# Allegro board pc051c_toplevel_209edited.brd (continued)
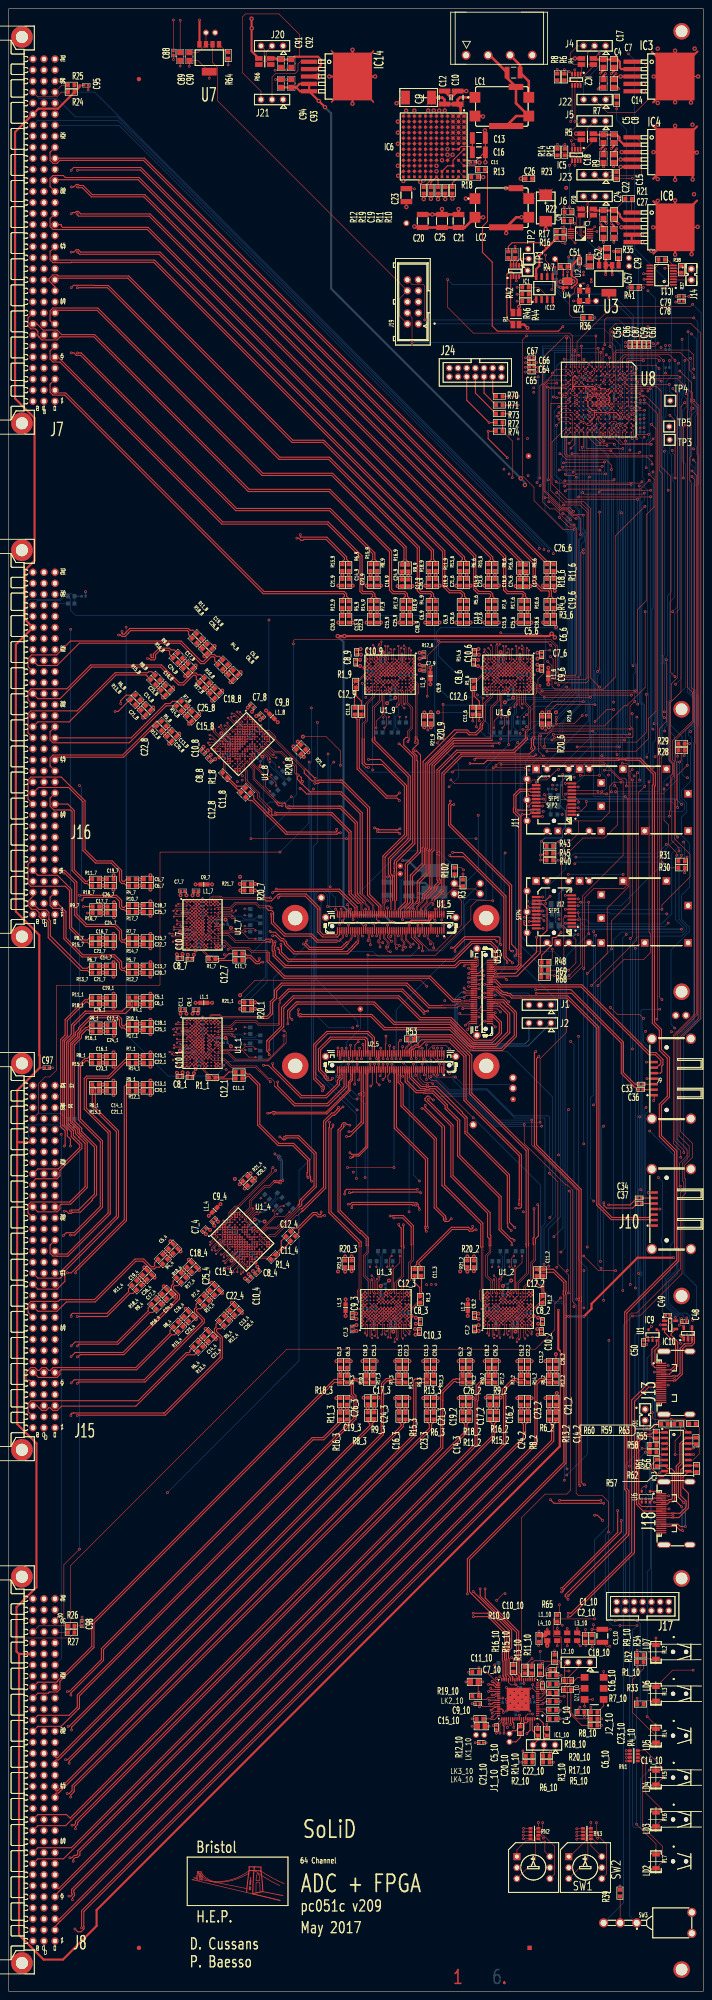
[diagram p0: board, top side]
## Nets
1.5VOUT: LK10.1(A<0>) U2_5.20(1.5V)
1.8VOUT: LK11.1(A<0>) U1_5.40(1.8V_O)
3.3VCTREF: LK12.1(A<0>) U1_5.13(3.3V_O)
3.3VOUT: LK1.1(A<0>) U2_5.9(3.3V_1) U2_5.11(3.3V_2)
3V3_CONN: C90.2(B<0>) J19.2(A<1>) J19.8(A<7>) LK20.1(A<0>) U7.2(ADJ) U7.3(OUT)
DGND: C6.1(A<0>) J3.2(A<1>) LC1.4(CG<0>) LC1.5(CG<1>) LC1.6(CG<2>)
GND_SIGNAL: C1.1(A<0>) C1_1.1(A<0>) C1_2.1(A<0>) C1_3.1(A<0>) C1_4.1(A<0>) C1_6.1(A<0>) C1_7.1(A<0>) C1_8.1(A<0>) C1_9.1(A<0>) C1_10.1(A<0>) C2.1(A<0>) C2_1.1(A<0>) C2_2.1(A<0>) C2_3.1(A<0>) C2_4.1(A<0>) C2_6.1(A<0>) C2_7.1(A<0>) C2_8.1(A<0>) C2_9.1(A<0>) C2_10.1(A<0>) C3.1(A<0>) C3_1.1(A<0>) C3_2.1(A<0>) C3_3.1(A<0>) C3_4.1(A<0>) C3_6.1(A<0>) C3_7.1(A<0>) C3_8.1(A<0>) C3_9.1(A<0>) C3_10.1(A<0>) C4.1(A<0>) C4_1.1(A<0>) C4_2.1(A<0>) C4_3.1(A<0>) C4_4.1(A<0>) C4_6.1(A<0>) C4_7.1(A<0>) C4_8.1(A<0>) C4_9.1(A<0>) C4_10.1(A<0>) C5.1(A<0>) C5_1.1(A<0>) C5_2.1(A<0>) C5_3.1(A<0>) C5_4.1(A<0>) C5_6.1(A<0>) C5_7.1(A<0>) C5_8.1(A<0>) C5_9.1(A<0>) C5_10.1(A<0>) C6_1.1(A<0>) C6_2.1(A<0>) C6_3.1(A<0>) C6_4.1(A<0>) C6_6.1(A<0>) C6_7.1(A<0>) C6_8.1(A<0>) C6_9.1(A<0>) C6_10.1(A<0>) C7.1(A<0>) C7_1.1(A<0>) C7_2.1(A<0>) C7_3.1(A<0>) C7_4.1(A<0>) C7_6.1(A<0>) C7_7.1(A<0>) C7_8.1(A<0>) C7_9.1(A<0>) C7_10.1(A<0>) C8.1(A<0>) C8_1.1(A<0>) C8_2.1(A<0>) C8_3.1(A<0>) C8_4.1(A<0>) C8_6.1(A<0>) C8_7.1(A<0>) C8_8.1(A<0>) C8_9.1(A<0>) C8_10.1(A<0>) C9_1.1(A<0>) C9_2.1(A<0>) C9_3.1(A<0>) C9_4.1(A<0>) C9_6.1(A<0>) C9_7.1(A<0>) C9_8.1(A<0>) C9_9.1(A<0>) C9_10.1(A<0>) C10_1.1(A<0>) C10_2.1(A<0>) C10_3.1(A<0>) C10_4.1(A<0>) C10_6.1(A<0>) C10_7.1(A<0>) C10_8.1(A<0>) C10_9.1(A<0>) C10_10.1(A<0>) C11_10.1(A<0>) C12_10.1(A<0>) C13_1.1(A<0>) C13_2.1(A<0>) C13_3.1(A<0>) C13_4.1(A<0>) C13_6.1(A<0>) C13_7.1(A<0>) C13_8.1(A<0>) C13_9.1(A<0>) C13_10.1(A<0>) C14.1(A<0>) C14_1.1(A<0>) C14_2.1(A<0>) C14_3.1(A<0>) C14_4.1(A<0>) C14_6.1(A<0>) C14_7.1(A<0>) C14_8.1(A<0>) C14_9.1(A<0>) C15.1(A<0>) C15_1.1(A<0>) C15_2.1(A<0>) C15_3.1(A<0>) C15_4.1(A<0>) C15_6.1(A<0>) C15_7.1(A<0>) C15_8.1(A<0>) C15_9.1(A<0>) C15_10.1(A<0>) C16_1.1(A<0>) C16_2.1(A<0>) C16_3.1(A<0>) C16_4.1(A<0>) C16_6.1(A<0>) C16_7.1(A<0>) C16_8.1(A<0>) C16_9.1(A<0>) C17.1(A<0>) C17_1.1(A<0>) C17_2.1(A<0>) C17_3.1(A<0>) C17_4.1(A<0>) C17_6.1(A<0>) C17_7.1(A<0>) C17_8.1(A<0>) C17_9.1(A<0>) C17_10.1(A<0>) C18.1(A<0>) C18_1.1(A<0>) C18_2.1(A<0>) C18_3.1(A<0>) C18_4.1(A<0>) C18_6.1(A<0>) C18_7.1(A<0>) C18_8.1(A<0>) C18_9.1(A<0>) C18_10.1(A<0>) C19_1.1(A<0>) C19_2.1(A<0>) C19_3.1(A<0>) C19_4.1(A<0>) C19_6.1(A<0>) C19_7.1(A<0>) C19_8.1(A<0>) C19_9.1(A<0>) C19_10.1(A<0>) C20_1.1(A<0>) C20_2.1(A<0>) C20_3.1(A<0>) C20_4.1(A<0>) C20_6.1(A<0>) C20_7.1(A<0>) C20_8.1(A<0>) C20_9.1(A<0>) C21_1.1(A<0>) C21_2.1(A<0>) C21_3.1(A<0>) C21_4.1(A<0>) C21_6.1(A<0>) C21_7.1(A<0>) C21_8.1(A<0>) C21_9.1(A<0>) C21_10.1(A<0>) C22.1(A<0>) C22_1.1(A<0>) C22_2.1(A<0>) C22_3.1(A<0>) C22_4.1(A<0>) C22_6.1(A<0>) C22_7.1(A<0>) C22_8.1(A<0>) C22_9.1(A<0>) C23_1.1(A<0>) C23_2.1(A<0>) C23_3.1(A<0>) C23_4.1(A<0>) C23_6.1(A<0>) C23_7.1(A<0>) C23_8.1(A<0>) C23_9.1(A<0>) C23_10.1(A<0>) C24.1(A<0>) C24_1.1(A<0>) C24_2.1(A<0>) C24_3.1(A<0>) C24_4.1(A<0>) C24_6.1(A<0>) C24_7.1(A<0>) C24_8.1(A<0>) C24_9.1(A<0>) C25_1.1(A<0>) C25_2.1(A<0>) C25_3.1(A<0>) C25_4.1(A<0>) C25_6.1(A<0>) C25_7.1(A<0>) C25_8.1(A<0>) C25_9.1(A<0>) C26.1(A<0>) C26_1.1(A<0>) C26_2.1(A<0>) C26_3.1(A<0>) C26_4.1(A<0>) C26_6.1(A<0>) C26_7.1(A<0>) C26_8.1(A<0>) C26_9.1(A<0>) C27.1(A<0>) C27_1.1(A<0>) C27_2.1(A<0>) C27_3.1(A<0>) C27_4.1(A<0>) C27_6.1(A<0>) C27_7.1(A<0>) C27_8.1(A<0>) C27_9.1(A<0>) C28.2(B<0>) C28_1.1(A<0>) C28_2.1(A<0>) C28_3.1(A<0>) C28_4.1(A<0>) C28_6.1(A<0>) C28_7.1(A<0>) C28_8.1(A<0>) C28_9.1(A<0>) C29.1(A<0>) C30.1(A<0>) C31.1(A<0>) C32.1(A<0>) C35.1(A<0>) C38.1(A<0>) C39.1(A<0>) C40.1(A<0>) C41.1(A<0>) C42.1(A<0>) C43.1(A<0>) C44.1(A<0>) C45.1(A<0>) C46.1(A<0>) C47.1(A<0>) C48.1(A<0>) C49.1(A<0>) C50.1(A<0>) C51.1(A<0>) C52.1(A<0>) C53.1(A<0>) C54.1(A<0>) C55.1(A<0>) C56.1(A<0>) C57.1(A<0>) C58.1(A<0>) C59.1(A<0>) C60.1(A<0>) C61.1(A<0>) C62.1(A<0>) C63.1(A<0>) C64.1(A<0>) C65.1(A<0>) C66.1(A<0>) C67.1(A<0>) C68.1(A<0>) C69.1(A<0>) C70.1(A<0>) C71.1(A<0>) C72.1(A<0>) C73.1(A<0>) C74.1(A<0>) C75.1(A<0>) C76.1(A<0>) C77.1(A<0>) C78.1(A<0>) C79.1(A<0>) C80.1(A<0>) C81.1(A<0>) C82.1(A<0>) C83.1(A<0>) C84.1(A<0>) C85.1(A<0>) C86.1(A<0>) C87.1(A<0>) C88.1(A<0>) C89.1(A<0>) C90.1(A<0>) C91.1(A<0>) C92.1(A<0>) C93.1(A<0>) C94.1(A<0>) C95.1(A<0>) C96.1(A<0>) C97.1(A<0>) C98.1(A<0>) IC1.3 IC1_10.65 IC2.3 IC3.3(GND) IC3.6(TAB) IC4.3(GND) IC4.6(TAB) IC5.3 IC7.5 IC8.3(GND) IC8.6(TAB) IC9.2 IC10.2 IC11.7(GND<0>) IC11.8(GND<1>) IC12.4(VSS) IC13.8 IC14.3(GND) IC14.6(TAB) J1.2(A<1>) J1_10.1(A<0>) J2.2(A<1>) J2_10.1(A<0>) J3.1(A<0>) J4.1(A<0>) J5.1(A<0>) J6.1(A<0>) J7.A1(A<0>) J7.A4(A<3>) J7.A7(A<6>) J7.A10(A<9>) J7.A13(A<12>) J7.A16(A<15>) J7.A19(A<18>) J7.A22(A<21>) J7.A25(A<24>) J7.A28(A<27>) J7.A30(A<29>) J7.A31(A<30>) J7.B1(B<0>) J7.B2(B<1>) J7.B3(B<2>) J7.B4(B<3>) J7.B5(B<4>) J7.B6(B<5>) J7.B7(B<6>) J7.B8(B<7>) J7.B9(B<8>) J7.B10(B<9>) J7.B11(B<10>) J7.B12(B<11>) J7.B13(B<12>) J7.B14(B<13>) J7.B15(B<14>) J7.B16(B<15>) J7.B17(B<16>) J7.B18(B<17>) J7.B19(B<18>) J7.B20(B<19>) J7.B21(B<20>) J7.B22(B<21>) J7.B23(B<22>) J7.B24(B<23>) J7.B25(B<24>) J7.B26(B<25>) J7.B27(B<26>) J7.B28(B<27>) J7.B29(B<28>) J7.B30(B<29>) J7.B31(B<30>) J7.B32(B<31>) J7.C1(C<0>) J7.C4(C<3>) J7.C7(C<6>) J7.C10(C<9>) J7.C13(C<12>) J7.C16(C<15>) J7.C19(C<18>) J7.C22(C<21>) J7.C25(C<24>) J7.C28(C<27>) J7.C30(C<29>) J7.C31(C<30>) J8.A1(A<0>) J8.A4(A<3>) J8.A7(A<6>) J8.A10(A<9>) J8.A13(A<12>) J8.A16(A<15>) J8.A19(A<18>) J8.A22(A<21>) J8.A25(A<24>) J8.A28(A<27>) J8.A30(A<29>) J8.A31(A<30>) J8.B1(B<0>) J8.B2(B<1>) J8.B3(B<2>) J8.B4(B<3>) J8.B5(B<4>) J8.B6(B<5>) J8.B7(B<6>) J8.B8(B<7>) J8.B9(B<8>) J8.B10(B<9>) J8.B11(B<10>) J8.B12(B<11>) J8.B13(B<12>) J8.B14(B<13>) J8.B15(B<14>) J8.B16(B<15>) J8.B17(B<16>) J8.B18(B<17>) J8.B19(B<18>) J8.B20(B<19>) J8.B21(B<20>) J8.B22(B<21>) J8.B23(B<22>) J8.B24(B<23>) J8.B25(B<24>) J8.B26(B<25>) J8.B27(B<26>) J8.B28(B<27>) J8.B29(B<28>) J8.B30(B<29>) J8.B31(B<30>) J8.B32(B<31>) J8.C1(C<0>) J8.C4(C<3>) J8.C7(C<6>) J8.C10(C<9>) J8.C13(C<12>) J8.C16(C<15>) J8.C19(C<18>) J8.C22(C<21>) J8.C25(C<24>) J8.C28(C<27>) J8.C30(C<29>) J8.C31(C<30>) J9.1(A<0>) J9.4(A<3>) J9.7(A<6>) J9.8 J9.9 J9.10 J9.11 J10.1(A<0>) J10.4(A<3>) J10.7(A<6>) J10.8 J10.9 J10.10 J10.11 J11.1(VEET1) J11.9(VEER/RS1) J11.10(VEER1) J11.11(VEER2) J11.14(VEER3) J11.17(VEET2) J11.20(VEET3) J12.1(VEET1) J12.9(VEER/RS1) J12.10(VEER1) J12.11(VEER2) J12.14(VEER3) J12.17(VEET2) J12.20(VEET3) J13.2(A<1>) J13.5(A<4>) J13.8(A<7>) J13.11(A<10>) J13.20 J13.21 J13.22 J13.23 J15.A1(A<0>) J15.A4(A<3>) J15.A7(A<6>) J15.A10(A<9>) J15.A13(A<12>) J15.A16(A<15>) J15.A19(A<18>) J15.A22(A<21>) J15.A25(A<24>) J15.A28(A<27>) J15.A30(A<29>) J15.A31(A<30>) J15.B1(B<0>) J15.B2(B<1>) J15.B3(B<2>) J15.B4(B<3>) J15.B5(B<4>) J15.B6(B<5>) J15.B7(B<6>) J15.B8(B<7>) J15.B9(B<8>) J15.B10(B<9>) J15.B11(B<10>) J15.B12(B<11>) J15.B13(B<12>) J15.B14(B<13>) J15.B15(B<14>) J15.B16(B<15>) J15.B17(B<16>) J15.B18(B<17>) J15.B19(B<18>) J15.B20(B<19>) J15.B21(B<20>) J15.B22(B<21>) J15.B23(B<22>) J15.B24(B<23>) J15.B25(B<24>) J15.B27(B<26>) J15.B28(B<27>) J15.B29(B<28>) J15.B30(B<29>) J15.B31(B<30>) J15.B32(B<31>) J15.C1(C<0>) J15.C4(C<3>) J15.C7(C<6>) J15.C10(C<9>) J15.C13(C<12>) J15.C16(C<15>) J15.C19(C<18>) J15.C22(C<21>) J15.C25(C<24>) J15.C28(C<27>) J15.C30(C<29>) J15.C31(C<30>) J16.A1(A<0>) J16.A4(A<3>) J16.A7(A<6>) J16.A10(A<9>) J16.A13(A<12>) J16.A16(A<15>) J16.A19(A<18>) J16.A22(A<21>) J16.A25(A<24>) J16.A28(A<27>) J16.A30(A<29>) J16.A31(A<30>) J16.B1(B<0>) J16.B2(B<1>) J16.B3(B<2>) J16.B4(B<3>) J16.B5(B<4>) J16.B6(B<5>) J16.B7(B<6>) J16.B8(B<7>) J16.B9(B<8>) J16.B10(B<9>) J16.B11(B<10>) J16.B12(B<11>) J16.B13(B<12>) J16.B14(B<13>) J16.B15(B<14>) J16.B16(B<15>) J16.B17(B<16>) J16.B18(B<17>) J16.B19(B<18>) J16.B20(B<19>) J16.B21(B<20>) J16.B22(B<21>) J16.B23(B<22>) J16.B24(B<23>) J16.B25(B<24>) J16.B26(B<25>) J16.B27(B<26>) J16.B28(B<27>) J16.B29(B<28>) J16.B30(B<29>) J16.B31(B<30>) J16.B32(B<31>) J16.C1(C<0>) J16.C4(C<3>) J16.C7(C<6>) J16.C10(C<9>) J16.C13(C<12>) J16.C16(C<15>) J16.C19(C<18>) J16.C22(C<21>) J16.C25(C<24>) J16.C28(C<27>) J16.C30(C<29>) J16.C31(C<30>) J17.3(A<2>) J17.5(A<4>) J17.7(A<6>) J17.9(A<8>) J17.11(A<10>) J18.2(A<1>) J18.5(A<4>) J18.8(A<7>) J18.11(A<10>) J18.20 J18.21 J18.22 J18.23 J19.3(A<2>) J19.9(A<8>) J20.1(A<0>) J24.3(A<2>) J24.5(A<4>) J24.7(A<6>) J24.9(A<8>) J24.11(A<10>) J31.1(A<0>) LC2.4(CG<0>) LC2.5(CG<1>) LC2.6(CG<2>) LK1_5.1(A<0>) LK2_5.1(A<0>) LK2_10.1(A<0>) LK3_5.1(A<0>) LK4_5.1(A<0>) LK9.1(A<0>) LK15.1(A<0>) LK18.1(A<0>) LK19.1(A<0>) LK21.1(A<0>) QZ1.2(GND) QZ1_10.3 R2.1(A<0>) R3.2(B<0>) R3_10.1(A<0>) R4_10.1(A<0>) R6.1(A<0>) R6_10.1(A<0>) R7_10.1(A<0>) R8.1(A<0>) R12_10.1(A<0>) R13_10.1(A<0>) R14.1(A<0>) R15_10.1(A<0>) R16_10.1(A<0>) R17_10.1(A<0>) R18_10.1(A<0>) R19_1.1(A<0>) R19_2.1(A<0>) R19_3.1(A<0>) R19_4.1(A<0>) R19_6.1(A<0>) R19_7.1(A<0>) R19_8.1(A<0>) R19_9.1(A<0>) R20_10.1(A<0>) R29.2(B<0>) R31.2(B<0>) R32.1(A<0>) R33.1(A<0>) R34.1(A<0>) R37.2(B<0>) R38.2(B<0>) R39.2(B<0>) R42.2(B<0>) R44.2(B<0>) R46.2(B<0>) RN1.1(A<0>) RN1.2(A<0>) RN1.3(A<0>) RN1.4(A<0>) RN2.1(A<0>) RN2.2(A<0>) RN2.3(A<0>) RN2.4(A<0>) RN3.1(A<0>) RN3.2(A<0>) RN3.3(A<0>) RN3.4(A<0>) SFP1.1 SFP1.2 SFP1.3 SFP1.4 SFP1.5 SFP1.6 SFP1.7 SFP1.8 SFP1.9 SFP1.10 SFP1.11 SFP1.12 SFP1.13 SFP1.14 SFP1.15 SFP1.16 SFP1.17 SFP2.1 SFP2.2 SFP2.3 SFP3.1 SFP3.2 SFP3.3 SFP3.4 SFP3.5 SFP3.6 SFP3.7 SFP3.8 SFP3.9 SFP3.10 SFP3.11 SFP3.12 SFP3.13 SFP3.14 SFP3.15 SFP3.16 SFP3.17 SFP4.1 SFP4.2 SFP4.3 U1.2(GND) U1_1.A1(GND) U1_1.A2(GND_1) U1_1.A3(GND_2) U1_1.A4(GND_3) U1_1.A5(GND_4) U1_1.A6(GND_5) U1_1.A7(PAR/SER) U1_1.A9(OGND) U1_1.A10(OGND_1) U1_1.B4(GND_6) U1_1.B5(GND_7) U1_1.B7(GND_8) U1_1.B9(OGND_2) U1_1.B10(OGND_3) U1_1.C3(GND_9) U1_1.C4(GND_10) U1_1.C6(GND_11) U1_1.D1(GND_12) U1_1.D2(GND_13) U1_1.D5(GND_14) U1_1.E5(GND_15) U1_1.F1(GND_16) U1_1.F2(GND_17) U1_1.F4(GND_18) U1_1.F5(GND_19) U1_1.F6(GND_20) U1_1.G3(GND_21) U1_1.G4(GND_22) U1_1.G5(GND_23) U1_1.G6(GND_24) U1_1.H3(GND_25) U1_1.H4(GND_26) U1_1.H5(GND_27) U1_1.H6(GND_28) U1_1.H9(OGND_4) U1_1.H10(OGND_5) U1_1.J1(GND_29) U1_1.J2(GND_30) U1_1.J4(GND_31) U1_1.J5(GND_32) U1_1.J6(GND_33) U1_1.K5(GND_34) U1_1.K6(GND_35) U1_1.L1(GND_36) U1_1.L2(GND_37) U1_1.M3(GND_38) U1_1.M4(GND_39) U1_1.N4(GND_40) U1_1.N5(GND_41) U1_1.N6(GND_42) U1_1.N7(GND_43) U1_1.N9(OGND_6) U1_1.N10(OGND_7) U1_1.P1(GND_44) U1_1.P2(GND_45) U1_1.P3(GND_46) U1_1.P4(GND_47) U1_1.P7(GND_48) U1_1.P9(OGND_8) U1_1.P10(OGND_9) U1_2.A1(GND) U1_2.A2(GND_1) U1_2.A3(GND_2) U1_2.A4(GND_3) U1_2.A5(GND_4) U1_2.A6(GND_5) U1_2.A7(PAR/SER) U1_2.A9(OGND) U1_2.A10(OGND_1) U1_2.B4(GND_6) U1_2.B5(GND_7) U1_2.B7(GND_8) U1_2.B9(OGND_2) U1_2.B10(OGND_3) U1_2.C3(GND_9) U1_2.C4(GND_10) U1_2.C6(GND_11) U1_2.D1(GND_12) U1_2.D2(GND_13) U1_2.D5(GND_14) U1_2.E5(GND_15) U1_2.F1(GND_16) U1_2.F2(GND_17) U1_2.F4(GND_18) U1_2.F5(GND_19) U1_2.F6(GND_20) U1_2.G3(GND_21) U1_2.G4(GND_22) U1_2.G5(GND_23) U1_2.G6(GND_24) U1_2.H3(GND_25) U1_2.H4(GND_26) U1_2.H5(GND_27) U1_2.H6(GND_28) U1_2.H9(OGND_4) U1_2.H10(OGND_5) U1_2.J1(GND_29) U1_2.J2(GND_30) U1_2.J4(GND_31) U1_2.J5(GND_32) U1_2.J6(GND_33) U1_2.K5(GND_34) U1_2.K6(GND_35) U1_2.L1(GND_36) U1_2.L2(GND_37) U1_2.M3(GND_38) U1_2.M4(GND_39) U1_2.N4(GND_40) U1_2.N5(GND_41) U1_2.N6(GND_42) U1_2.N7(GND_43) U1_2.N9(OGND_6) U1_2.N10(OGND_7) U1_2.P1(GND_44) U1_2.P2(GND_45) U1_2.P3(GND_46) U1_2.P4(GND_47) U1_2.P7(GND_48) U1_2.P9(OGND_8) U1_2.P10(OGND_9) U1_3.A1(GND) U1_3.A2(GND_1) U1_3.A3(GND_2) U1_3.A4(GND_3) U1_3.A5(GND_4) U1_3.A6(GND_5) U1_3.A7(PAR/SER) U1_3.A9(OGND) U1_3.A10(OGND_1) U1_3.B4(GND_6) U1_3.B5(GND_7) U1_3.B7(GND_8) U1_3.B9(OGND_2) U1_3.B10(OGND_3) U1_3.C3(GND_9) U1_3.C4(GND_10) U1_3.C6(GND_11) U1_3.D1(GND_12) U1_3.D2(GND_13) U1_3.D5(GND_14) U1_3.E5(GND_15) U1_3.F1(GND_16) U1_3.F2(GND_17) U1_3.F4(GND_18) U1_3.F5(GND_19) U1_3.F6(GND_20) U1_3.G3(GND_21) U1_3.G4(GND_22) U1_3.G5(GND_23) U1_3.G6(GND_24) U1_3.H3(GND_25) U1_3.H4(GND_26) U1_3.H5(GND_27) U1_3.H6(GND_28) U1_3.H9(OGND_4) U1_3.H10(OGND_5) U1_3.J1(GND_29) U1_3.J2(GND_30) U1_3.J4(GND_31) U1_3.J5(GND_32) U1_3.J6(GND_33) U1_3.K5(GND_34) U1_3.K6(GND_35) U1_3.L1(GND_36) U1_3.L2(GND_37) U1_3.M3(GND_38) U1_3.M4(GND_39) U1_3.N4(GND_40) U1_3.N5(GND_41) U1_3.N6(GND_42) U1_3.N7(GND_43) U1_3.N9(OGND_6) U1_3.N10(OGND_7) U1_3.P1(GND_44) U1_3.P2(GND_45) U1_3.P3(GND_46) U1_3.P4(GND_47) U1_3.P7(GND_48) U1_3.P9(OGND_8) U1_3.P10(OGND_9) U1_4.A1(GND) U1_4.A2(GND_1) U1_4.A3(GND_2) U1_4.A4(GND_3) U1_4.A5(GND_4) U1_4.A6(GND_5) U1_4.A7(PAR/SER) U1_4.A9(OGND) U1_4.A10(OGND_1) U1_4.B4(GND_6) U1_4.B5(GND_7) U1_4.B7(GND_8) U1_4.B9(OGND_2) U1_4.B10(OGND_3) U1_4.C3(GND_9) U1_4.C4(GND_10) U1_4.C6(GND_11) U1_4.D1(GND_12) U1_4.D2(GND_13) U1_4.D5(GND_14) U1_4.E5(GND_15) U1_4.F1(GND_16) U1_4.F2(GND_17) U1_4.F4(GND_18) U1_4.F5(GND_19) U1_4.F6(GND_20) U1_4.G3(GND_21) U1_4.G4(GND_22) U1_4.G5(GND_23) U1_4.G6(GND_24) U1_4.H3(GND_25) U1_4.H4(GND_26) U1_4.H5(GND_27) U1_4.H6(GND_28) U1_4.H9(OGND_4) U1_4.H10(OGND_5) U1_4.J1(GND_29) U1_4.J2(GND_30) U1_4.J4(GND_31) U1_4.J5(GND_32) U1_4.J6(GND_33) U1_4.K5(GND_34) U1_4.K6(GND_35) U1_4.L1(GND_36) U1_4.L2(GND_37) U1_4.M3(GND_38) U1_4.M4(GND_39) U1_4.N4(GND_40) U1_4.N5(GND_41) U1_4.N6(GND_42) U1_4.N7(GND_43) U1_4.N9(OGND_6) U1_4.N10(OGND_7) U1_4.P1(GND_44) U1_4.P2(GND_45) U1_4.P3(GND_46) U1_4.P4(GND_47) U1_4.P7(GND_48) U1_4.P9(OGND_8) U1_4.P10(OGND_9) U1_5.1(GND_15) U1_5.7(GND_5) U1_5.19(GND_6) U1_5.25(GND_7) U1_5.30(GND_1) U1_5.33(GND_8) U1_5.43(GND_9) U1_5.53(GND_10) U1_5.54(GND_2) U1_5.63(GND_11) U1_5.64(GND_3) U1_5.73(GND_12) U1_5.74(GND_4) U1_5.83(GND_13) U1_5.89(GND_14) U1_6.A1(GND) U1_6.A2(GND_1) U1_6.A3(GND_2) U1_6.A4(GND_3) U1_6.A5(GND_4) U1_6.A6(GND_5) U1_6.A7(PAR/SER) U1_6.A9(OGND) U1_6.A10(OGND_1) U1_6.B4(GND_6) U1_6.B5(GND_7) U1_6.B7(GND_8) U1_6.B9(OGND_2) U1_6.B10(OGND_3) U1_6.C3(GND_9) U1_6.C4(GND_10) U1_6.C6(GND_11) U1_6.D1(GND_12) U1_6.D2(GND_13) U1_6.D5(GND_14) U1_6.E5(GND_15) U1_6.F1(GND_16) U1_6.F2(GND_17) U1_6.F4(GND_18) U1_6.F5(GND_19) U1_6.F6(GND_20) U1_6.G3(GND_21) U1_6.G4(GND_22) U1_6.G5(GND_23) U1_6.G6(GND_24) U1_6.H3(GND_25) U1_6.H4(GND_26) U1_6.H5(GND_27) U1_6.H6(GND_28) U1_6.H9(OGND_4) U1_6.H10(OGND_5) U1_6.J1(GND_29) U1_6.J2(GND_30) U1_6.J4(GND_31) U1_6.J5(GND_32) U1_6.J6(GND_33) U1_6.K5(GND_34) U1_6.K6(GND_35) U1_6.L1(GND_36) U1_6.L2(GND_37) U1_6.M3(GND_38) U1_6.M4(GND_39) U1_6.N4(GND_40) U1_6.N5(GND_41) U1_6.N6(GND_42) U1_6.N7(GND_43) U1_6.N9(OGND_6) U1_6.N10(OGND_7) U1_6.P1(GND_44) U1_6.P2(GND_45) U1_6.P3(GND_46) U1_6.P4(GND_47) U1_6.P7(GND_48) U1_6.P9(OGND_8) U1_6.P10(OGND_9) U1_7.A1(GND) U1_7.A2(GND_1) U1_7.A3(GND_2) U1_7.A4(GND_3) U1_7.A5(GND_4) U1_7.A6(GND_5) U1_7.A7(PAR/SER) U1_7.A9(OGND) U1_7.A10(OGND_1) U1_7.B4(GND_6) U1_7.B5(GND_7) U1_7.B7(GND_8) U1_7.B9(OGND_2) U1_7.B10(OGND_3) U1_7.C3(GND_9) U1_7.C4(GND_10) U1_7.C6(GND_11) U1_7.D1(GND_12) U1_7.D2(GND_13) U1_7.D5(GND_14) U1_7.E5(GND_15) U1_7.F1(GND_16) U1_7.F2(GND_17) U1_7.F4(GND_18) U1_7.F5(GND_19) U1_7.F6(GND_20) U1_7.G3(GND_21) U1_7.G4(GND_22) U1_7.G5(GND_23) U1_7.G6(GND_24) U1_7.H3(GND_25) U1_7.H4(GND_26) U1_7.H5(GND_27) U1_7.H6(GND_28) U1_7.H9(OGND_4) U1_7.H10(OGND_5) U1_7.J1(GND_29) U1_7.J2(GND_30) U1_7.J4(GND_31) U1_7.J5(GND_32) U1_7.J6(GND_33) U1_7.K5(GND_34) U1_7.K6(GND_35) U1_7.L1(GND_36) U1_7.L2(GND_37) U1_7.M3(GND_38) U1_7.M4(GND_39) U1_7.N4(GND_40) U1_7.N5(GND_41) U1_7.N6(GND_42) U1_7.N7(GND_43) U1_7.N9(OGND_6) U1_7.N10(OGND_7) U1_7.P1(GND_44) U1_7.P2(GND_45) U1_7.P3(GND_46) U1_7.P4(GND_47) U1_7.P7(GND_48) U1_7.P9(OGND_8) U1_7.P10(OGND_9) U1_8.A1(GND) U1_8.A2(GND_1) U1_8.A3(GND_2) U1_8.A4(GND_3) U1_8.A5(GND_4) U1_8.A6(GND_5) U1_8.A7(PAR/SER) U1_8.A9(OGND) U1_8.A10(OGND_1) U1_8.B4(GND_6) U1_8.B5(GND_7) U1_8.B7(GND_8) U1_8.B9(OGND_2) U1_8.B10(OGND_3) U1_8.C3(GND_9) U1_8.C4(GND_10) U1_8.C6(GND_11) U1_8.D1(GND_12) U1_8.D2(GND_13) U1_8.D5(GND_14) U1_8.E5(GND_15) U1_8.F1(GND_16) U1_8.F2(GND_17) U1_8.F4(GND_18) U1_8.F5(GND_19) U1_8.F6(GND_20) U1_8.G3(GND_21) U1_8.G4(GND_22) U1_8.G5(GND_23) U1_8.G6(GND_24) U1_8.H3(GND_25) U1_8.H4(GND_26) U1_8.H5(GND_27) U1_8.H6(GND_28) U1_8.H9(OGND_4) U1_8.H10(OGND_5) U1_8.J1(GND_29) U1_8.J2(GND_30) U1_8.J4(GND_31) U1_8.J5(GND_32) U1_8.J6(GND_33) U1_8.K5(GND_34) U1_8.K6(GND_35) U1_8.L1(GND_36) U1_8.L2(GND_37) U1_8.M3(GND_38) U1_8.M4(GND_39) U1_8.N4(GND_40) U1_8.N5(GND_41) U1_8.N6(GND_42) U1_8.N7(GND_43) U1_8.N9(OGND_6) U1_8.N10(OGND_7) U1_8.P1(GND_44) U1_8.P2(GND_45) U1_8.P3(GND_46) U1_8.P4(GND_47) U1_8.P7(GND_48) U1_8.P9(OGND_8) U1_8.P10(OGND_9) U1_9.A1(GND) U1_9.A2(GND_1) U1_9.A3(GND_2) U1_9.A4(GND_3) U1_9.A5(GND_4) U1_9.A6(GND_5) U1_9.A7(PAR/SER) U1_9.A9(OGND) U1_9.A10(OGND_1) U1_9.B4(GND_6) U1_9.B5(GND_7) U1_9.B7(GND_8) U1_9.B9(OGND_2) U1_9.B10(OGND_3) U1_9.C3(GND_9) U1_9.C4(GND_10) U1_9.C6(GND_11) U1_9.D1(GND_12) U1_9.D2(GND_13) U1_9.D5(GND_14) U1_9.E5(GND_15) U1_9.F1(GND_16) U1_9.F2(GND_17) U1_9.F4(GND_18) U1_9.F5(GND_19) U1_9.F6(GND_20) U1_9.G3(GND_21) U1_9.G4(GND_22) U1_9.G5(GND_23) U1_9.G6(GND_24) U1_9.H3(GND_25) U1_9.H4(GND_26) U1_9.H5(GND_27) U1_9.H6(GND_28) U1_9.H9(OGND_4) U1_9.H10(OGND_5) U1_9.J1(GND_29) U1_9.J2(GND_30) U1_9.J4(GND_31) U1_9.J5(GND_32) U1_9.J6(GND_33) U1_9.K5(GND_34) U1_9.K6(GND_35) U1_9.L1(GND_36) U1_9.L2(GND_37) U1_9.M3(GND_38) U1_9.M4(GND_39) U1_9.N4(GND_40) U1_9.N5(GND_41) U1_9.N6(GND_42) U1_9.N7(GND_43) U1_9.N9(OGND_6) U1_9.N10(OGND_7) U1_9.P1(GND_44) U1_9.P2(GND_45) U1_9.P3(GND_46) U1_9.P4(GND_47) U1_9.P7(GND_48) U1_9.P9(OGND_8) U1_9.P10(OGND_9) U2.1(GND) U2_5.19(GND_6) U2_5.29(GND_7) U2_5.39(GND) U2_5.40(GND_1) U2_5.49(GND_8) U2_5.50(GND_2) U2_5.59(GND_9) U2_5.60(GND_3) U2_5.69(GND_10) U2_5.70(GND_4) U2_5.79(GND_11) U2_5.80(GND_5) U2_5.89(GND_12) U3.5(GND) U3_5.5(GND8) U3_5.6(GND1) U3_5.11(GND9) U3_5.12(GND2) U3_5.17(GND10) U3_5.18(GND3) U3_5.23(GND11) U3_5.24(GND4) U3_5.29(GND12) U3_5.30(GND5) U3_5.35(GND13) U3_5.36(GND6) U3_5.45(GND14) U3_5.46(GND7) U4.2(GND) U4.7(DAP) U6.2(GND) U7.5(GND) U8.F6 U8.F11 U8.G7 U8.G8 U8.G9 U8.G10 U8.H7 U8.H8 U8.H9 U8.H10 U8.J7 U8.J8 U8.J9 U8.J10 U8.K7 U8.K8 U8.K9 U8.K10 U8.L6 U8.L11
P1V8: C3_1.2(B<0>) C3_2.2(B<0>) C3_3.2(B<0>) C3_4.2(B<0>) C3_6.2(B<0>) C3_7.2(B<0>) C3_8.2(B<0>) C3_9.2(B<0>) C4_1.2(B<0>) C4_2.2(B<0>) C4_3.2(B<0>) C4_4.2(B<0>) C4_6.2(B<0>) C4_7.2(B<0>) C4_8.2(B<0>) C4_9.2(B<0>) C10_10.2(B<0>) C27.2(B<0>) C29.2(B<0>) IC7.4(V4) IC8.4(OUT) IC8.5(ADJ) L1_1.2(B<0>) L1_2.2(B<0>) L1_3.2(B<0>) L1_4.2(B<0>) L1_6.2(B<0>) L1_7.2(B<0>) L1_8.2(B<0>) L1_9.2(B<0>) L4_10.1(A<0>) R20_1.2(B<0>) R20_2.2(B<0>) R20_3.2(B<0>) R20_4.2(B<0>) R20_6.2(B<0>) R20_7.2(B<0>) R20_8.2(B<0>) R20_9.2(B<0>) R21_1.2(B<0>) R21_2.2(B<0>) R21_3.2(B<0>) R21_4.2(B<0>) R21_6.2(B<0>) R21_7.2(B<0>) R21_8.2(B<0>) R21_9.2(B<0>) U1_1.G9(OVDD) U1_1.G10(OVDD_1) U1_2.G9(OVDD) U1_2.G10(OVDD_1) U1_3.G9(OVDD) U1_3.G10(OVDD_1) U1_4.G9(OVDD) U1_4.G10(OVDD_1) U1_6.G9(OVDD) U1_6.G10(OVDD_1) U1_7.G9(OVDD) U1_7.G10(OVDD_1) U1_8.G9(OVDD) U1_8.G10(OVDD_1) U1_9.G9(OVDD) U1_9.G10(OVDD_1)
P1V8A: C1_1.2(B<0>) C1_2.2(B<0>) C1_3.2(B<0>) C1_4.2(B<0>) C1_6.2(B<0>) C1_7.2(B<0>) C1_8.2(B<0>) C1_9.2(B<0>) C2_1.2(B<0>) C2_2.2(B<0>) C2_3.2(B<0>) C2_4.2(B<0>) C2_6.2(B<0>) C2_7.2(B<0>) C2_8.2(B<0>) C2_9.2(B<0>) C7_1.2(B<0>) C7_2.2(B<0>) C7_3.2(B<0>) C7_4.2(B<0>) C7_6.2(B<0>) C7_7.2(B<0>) C7_8.2(B<0>) C7_9.2(B<0>) C8_1.2(B<0>) C8_2.2(B<0>) C8_3.2(B<0>) C8_4.2(B<0>) C8_6.2(B<0>) C8_7.2(B<0>) C8_8.2(B<0>) C8_9.2(B<0>) C9_1.2(B<0>) C9_2.2(B<0>) C9_3.2(B<0>) C9_4.2(B<0>) C9_6.2(B<0>) C9_7.2(B<0>) C9_8.2(B<0>) C9_9.2(B<0>) C10_1.2(B<0>) C10_2.2(B<0>) C10_3.2(B<0>) C10_4.2(B<0>) C10_6.2(B<0>) C10_7.2(B<0>) C10_8.2(B<0>) C10_9.2(B<0>) C27_1.2(B<0>) C27_2.2(B<0>) C27_3.2(B<0>) C27_4.2(B<0>) C27_6.2(B<0>) C27_7.2(B<0>) C27_8.2(B<0>) C27_9.2(B<0>) C28_1.2(B<0>) C28_2.2(B<0>) C28_3.2(B<0>) C28_4.2(B<0>) C28_6.2(B<0>) C28_7.2(B<0>) C28_8.2(B<0>) C28_9.2(B<0>) J7.C27(C<26>) J8.C27(C<26>) J15.C27(C<26>) J16.C27(C<26>) L1_1.1(A<0>) L1_2.1(A<0>) L1_3.1(A<0>) L1_4.1(A<0>) L1_6.1(A<0>) L1_7.1(A<0>) L1_8.1(A<0>) L1_9.1(A<0>) R2_1.2(B<0>) R2_2.2(B<0>) R2_3.2(B<0>) R2_4.2(B<0>) R2_6.2(B<0>) R2_7.2(B<0>) R2_8.2(B<0>) R2_9.2(B<0>) U1_1.D3(VDD) U1_1.D4(VDD_1) U1_1.E3(VDD_2) U1_1.E4(VDD_3) U1_1.K3(VDD_4) U1_1.K4(VDD_5) U1_1.L3(VDD_6) U1_1.L4(VDD_7) U1_2.D3(VDD) U1_2.D4(VDD_1) U1_2.E3(VDD_2) U1_2.E4(VDD_3) U1_2.K3(VDD_4) U1_2.K4(VDD_5) U1_2.L3(VDD_6) U1_2.L4(VDD_7) U1_3.D3(VDD) U1_3.D4(VDD_1) U1_3.E3(VDD_2) U1_3.E4(VDD_3) U1_3.K3(VDD_4) U1_3.K4(VDD_5) U1_3.L3(VDD_6) U1_3.L4(VDD_7) U1_4.D3(VDD) U1_4.D4(VDD_1) U1_4.E3(VDD_2) U1_4.E4(VDD_3) U1_4.K3(VDD_4) U1_4.K4(VDD_5) U1_4.L3(VDD_6) U1_4.L4(VDD_7) U1_6.D3(VDD) U1_6.D4(VDD_1) U1_6.E3(VDD_2) U1_6.E4(VDD_3) U1_6.K3(VDD_4) U1_6.K4(VDD_5) U1_6.L3(VDD_6) U1_6.L4(VDD_7) U1_7.D3(VDD) U1_7.D4(VDD_1) U1_7.E3(VDD_2) U1_7.E4(VDD_3) U1_7.K3(VDD_4) U1_7.K4(VDD_5) U1_7.L3(VDD_6) U1_7.L4(VDD_7) U1_8.D3(VDD) U1_8.D4(VDD_1) U1_8.E3(VDD_2) U1_8.E4(VDD_3) U1_8.K3(VDD_4) U1_8.K4(VDD_5) U1_8.L3(VDD_6) U1_8.L4(VDD_7) U1_9.D3(VDD) U1_9.D4(VDD_1) U1_9.E3(VDD_2) U1_9.E4(VDD_3) U1_9.K3(VDD_4) U1_9.K4(VDD_5) U1_9.L3(VDD_6) U1_9.L4(VDD_7)
P1V8C: C62.2(B<0>) C63.2(B<0>) C64.2(B<0>) C65.2(B<0>) C66.2(B<0>) C67.2(B<0>) C68.2(B<0>) C69.2(B<0>) C70.2(B<0>) C72.2(B<0>) C74.2(B<0>) C75.2(B<0>) C76.2(B<0>) C77.2(B<0>) LK17.1(A<0>) U4.4(OUT) U4.5(SNS) U8.D5(VCC<1>) U8.D12(VCC<0>) U8.J6(VCCIO18<1>) U8.J11(VCCIO18<0>) U8.K6(VCCIO18<3>) U8.K11(VCCIO18<2>) U8.K13(VCC<2>) U8.L7(VCCIO18<5>) U8.L8(VCCIO18<6>) U8.L9(VCCIO18<7>) U8.L10(VCCIO18<4>) U8.P3(VCC<3>)
P2V2: C19.2(B<0>) C20.2(B<0>) C21.2(B<0>) C23.2(B<0>) C25.2(B<0>) IC6.J1(VOUT<42>) IC6.J2(VOUT<41>) IC6.J3(VOUT<40>) IC6.J4(VOUT<39>) IC6.J5(VOUT<38>) IC6.J6(VOUT<37>) IC6.J7(VOUT<36>) IC6.J8(VOUT<35>) IC6.J9(VOUT<34>) IC6.J10(VOUT<33>) IC6.J11(VOUT<43>) IC6.K1(VOUT<32>) IC6.K2(VOUT<31>) IC6.K3(VOUT<30>) IC6.K4(VOUT<29>) IC6.K5(VOUT<28>) IC6.K6(VOUT<27>) IC6.K7(VOUT<26>) IC6.K8(VOUT<25>) IC6.K9(VOUT<24>) IC6.K10(VOUT<23>) IC6.K11(VOUT<22>) IC6.L1(VOUT<21>) IC6.L2(VOUT<20>) IC6.L3(VOUT<19>) IC6.L4(VOUT<18>) IC6.L5(VOUT<17>) IC6.L6(VOUT<16>) IC6.L7(VOUT<15>) IC6.L8(VOUT<14>) IC6.L9(VOUT<13>) IC6.L10(VOUT<12>) IC6.L11(VOUT<11>) IC6.M1(VOUT<10>) IC6.M2(VOUT<9>) IC6.M3(VOUT<8>) IC6.M4(VOUT<7>) IC6.M5(VOUT<6>) IC6.M6(VOUT<5>) IC6.M7(VOUT<4>) IC6.M8(VOUT<3>) IC6.M9(VOUT<2>) IC6.M10(VOUT<1>) IC6.M11(VOUT<0>) LC2.1(B) LK13.1(A<0>) R11.2(B<0>) R12.1(A<0>)
P2V2_FILTERED: C26.2(B<0>) C28.1(A<0>) LC2.2(CB) R20.1(C1<0>)
P2V5: C15.2(B<0>) C18.2(B<0>) C48.2(B<0>) C49.2(B<0>) C78.2(B<0>) C79.2(B<0>) C80.2(B<0>) C81.2(B<0>) C82.2(B<0>) C83.2(B<0>) IC4.4(OUT) IC4.5(ADJ) IC9.1 IC10.1 U1_5.10(VCCIO16_1) U1_5.12(VCCIO16_2) U2_5.2(VCCIO13_1) U2_5.4(VCCIO13_2) U2_5.8(VCCIO15_1) U2_5.10(VCCIO15_2)
P3V3: C1_10.2(B<0>) C2_10.2(B<0>) C3_10.2(B<0>) C14.2(B<0>) C17.2(B<0>) C30.2(B<0>) C31.2(B<0>) C40.2(B<0>) C42.2(B<0>) C50.2(B<0>) C95.2(B<0>) C96.2(B<0>) C97.2(B<0>) C98.2(B<0>) IC1.4 IC2.4 IC3.4(OUT) IC3.5(ADJ) IC5.4 IC7.3(V3) IC7.10 IC12.8(VCC) J7.A27(A<26>) J8.A27(A<26>) J15.A27(A<26>) J16.A27(A<26>) J17.2(A<1>) J24.2(A<1>) L1_10.1(A<0>) L2.1(A<0>) L2_10.1(A<0>) L3.1(A<0>) L3_10.1(A<0>) L4.2(B<0>) L5.2(B<0>) LK8.1(A<0>) R15.2(B<0>) R16.2(B<0>) R17.2(B<0>) R22.2(B<0>) R23.2(B<0>) R24.2(B<0>) R25.2(B<0>) R26.2(B<0>) R27.2(B<0>) R28.1(A<0>) R30.1(A<0>) R40.2(B<0>) R43.2(B<0>) R45.2(B<0>) R48.2(B<0>) R49.2(B<0>) R50.2(B<0>) R51.2(B<0>) R52.2(B<0>) R65.2(B<0>) R67.2(B<0>) R68.2(B<0>) R69.2(B<0>) SW1.C1 SW1.C2 SW2.C1 SW2.C2 U1.1(VCC)
P3V3_FPGA: C93.2(B<0>) C94.2(B<0>) IC14.4(OUT) IC14.5(ADJ) U1_5.14(3.3VIN_1) U1_5.16(3.3VIN_2)
P3V3C: C53.2(B<0>) C54.2(B<0>) C55.2(B<0>) C56.2(B<0>) C57.2(B<0>) C58.2(B<0>) C59.2(B<0>) C60.2(B<0>) C61.2(B<0>) C84.2(B<0>) C85.2(B<0>) C86.2(B<0>) C87.2(B<0>) IC11.2(VCC) IC13.16 LK14.1(A<0>) QZ1.4(VCC) R36.2(B<0>) R41.2(B<0>) R59.1(A<0>) R60.2(B<0>) U2.3(VCC) U3.2(ADJ) U3.3(OUT) U6.1(VCC) U8.F4(VAUX) U8.F7(VCCIO33<1>) U8.F8(VCCIO33<2>) U8.F9(VCCIO33<3>) U8.F10(VCCIO33<0>) U8.G6(VCCIO33<4>) U8.H6(VCCIO33<6>) U8.H11(VCCIO33<5>)
P5V: C51.2(B<0>) C52.2(B<0>) C71.2(B<0>) C73.2(B<0>) C88.2(B<0>) C89.2(B<0>) J3.4(A<3>) J7.A32(A<31>) J7.C32(C<31>) J8.A32(A<31>) J8.C32(C<31>) J15.A32(A<31>) J15.C32(C<31>) J16.A32(A<31>) J16.C32(C<31>) J23.3(A<2>) R1.1(C1<0>) R4.1(C1<0>) R5.1(C1<0>) R35.2(B<0>) R47.2(B<0>) R66.1(C1<0>) U3.4(IN) U4.1(IN1) U4.6(IN2) U7.4(IN)
P5V_FPGA: C3.2(B<0>) L1.2(B<0>) R1.2(C2<0>)
VDD_CLK40: C15_10.2(B<0>) C18_10.2(B<0>) C21_10.2(B<0>) C23_10.2(B<0>) IC1_10.32 IC1_10.46 IC1_10.60 L4_10.2(B<0>) LK1_10.1(A<0>) R2_10.2(B<0>) R5_10.2(B<0>) R9_10.2(B<0>) R10_10.2(B<0>) R11_10.2(B<0>)
VDD_OSC: C6_10.2(B<0>) L3_10.2(B<0>) QZ1_10.6 R1_10.2(B<0>)
VDDA_CLK40: C4_10.2(B<0>) C7_10.2(B<0>) IC1_10.13 L1_10.2(B<0>) R19_10.1(A<0>)
VDDO_CLK40: C5_10.2(B<0>) C8_10.2(B<0>) C9_10.2(B<0>) C11_10.2(B<0>) C12_10.2(B<0>) C13_10.2(B<0>) C17_10.2(B<0>) C19_10.2(B<0>) IC1_10.22(VDDO0) IC1_10.26(VDDO1) IC1_10.29(VDDO2) IC1_10.33(VDDO3) IC1_10.36(VDDO4) IC1_10.40(VDDO5) IC1_10.43(VDDO6) IC1_10.49(VDDO7) IC1_10.52(VDDO8) IC1_10.57(VDDO9) L2_10.2(B<0>)
VIN_DCDC: C1.2(B<0>) C2.2(B<0>) L1.1(A<0>) U1_5.2(VIN_1) U1_5.4(VIN_2) U1_5.6(VIN_3) U2_5.1(VIN_1) U2_5.3(VIN_2) U2_5.5(VIN_3) U2_5.7(VIN_4)
ADC_CSA<0>: U1_6.L5(CSA) U8.L1(CSA_TO_ADC<0>)
ADC_CSA<1>: U1_9.L5(CSA) U8.R1(CSA_TO_ADC<1>)
ADC_CSA<2>: U1_8.L5(CSA) U8.R4(CSA_TO_ADC<2>)
ADC_CSA<3>: U1_7.L5(CSA) U8.T7(CSA_TO_ADC<3>)
ADC_CSA<4>: U1_1.L5(CSA) U8.R12(CSA_TO_ADC<4>)
ADC_CSA<5>: U1_4.L5(CSA) U8.R16(CSA_TO_ADC<5>)
ADC_CSA<6>: U1_3.L5(CSA) U8.M15(CSA_TO_ADC<6>)
ADC_CSA<7>: U1_2.L5(CSA) U8.K14(CSA_TO_ADC<7>)
ADC_CSB<0>: U1_6.M5(CSB) U8.L2(CSB_TO_ADC<0>)
ADC_CSB<1>: U1_9.M5(CSB) U8.T1(CSB_TO_ADC<1>)
ADC_CSB<2>: U1_8.M5(CSB) U8.R5(CSB_TO_ADC<2>)
ADC_CSB<3>: U1_7.M5(CSB) U8.T8(CSB_TO_ADC<3>)
ADC_CSB<4>: U1_1.M5(CSB) U8.R13(CSB_TO_ADC<4>)
ADC_CSB<5>: U1_4.M5(CSB) U8.P16(CSB_TO_ADC<5>)
ADC_CSB<6>: U1_3.M5(CSB) U8.L15(CSB_TO_ADC<6>)
ADC_CSB<7>: U1_2.M5(CSB) U8.J14(CSB_TO_ADC<7>)
ADC_SCK<0>: U1_6.L6(SCK) U8.J1(SCK_TO_ADC<0>)
ADC_SCK<1>: U1_9.L6(SCK) U8.M1(SCK_TO_ADC<1>)
ADC_SCK<2>: U1_8.L6(SCK) U8.R2(SCK_TO_ADC<2>)
ADC_SCK<3>: U1_7.L6(SCK) U8.T5(SCK_TO_ADC<3>)
ADC_SCK<4>: U1_1.L6(SCK) U8.R8(SCK_TO_ADC<4>)
ADC_SCK<5>: U1_4.L6(SCK) U8.R14(SCK_TO_ADC<5>)
ADC_SCK<6>: U1_3.L6(SCK) U8.P15(SCK_TO_ADC<6>)
ADC_SCK<7>: U1_2.L6(SCK) U8.L16(SCK_TO_ADC<7>)
ADC_SDI<0>: U1_6.M6(SDI) U8.J2(SDI_TO_ADC<0>)
ADC_SDI<1>: U1_9.M6(SDI) U8.N1(SDI_TO_ADC<1>)
ADC_SDI<2>: U1_8.M6(SDI) U8.R3(SDI_TO_ADC<2>)
ADC_SDI<3>: U1_7.M6(SDI) U8.T6(SDI_TO_ADC<3>)
ADC_SDI<4>: U1_1.M6(SDI) U8.R9(SDI_TO_ADC<4>)
ADC_SDI<5>: U1_4.M6(SDI) U8.R15(SDI_TO_ADC<5>)
ADC_SDI<6>: U1_3.M6(SDI) U8.N15(SDI_TO_ADC<6>)
ADC_SDI<7>: U1_2.M6(SDI) U8.K16(SDI_TO_ADC<7>)
ADC_SDOA<0>: R20_6.1(A<0>) U1_6.E6(SDOA) U8.K1(SDOA_FROM_ADC<0>)
ADC_SDOA<1>: R20_9.1(A<0>) U1_9.E6(SDOA) U8.N2(SDOA_FROM_ADC<1>)
ADC_SDOA<2>: R20_8.1(A<0>) U1_8.E6(SDOA) U8.T3(SDOA_FROM_ADC<2>)
ADC_SDOA<3>: R20_7.1(A<0>) U1_7.E6(SDOA) U8.R6(SDOA_FROM_ADC<3>)
ADC_SDOA<4>: R20_1.1(A<0>) U1_1.E6(SDOA) U8.T10(SDOA_FROM_ADC<4>)
ADC_SDOA<5>: R20_4.1(A<0>) U1_4.E6(SDOA) U8.T15(SDOA_FROM_ADC<5>)
ADC_SDOA<6>: R20_3.1(A<0>) U1_3.E6(SDOA) U8.N16(SDOA_FROM_ADC<6>)
ADC_SDOA<7>: R20_2.1(A<0>) U1_2.E6(SDOA) U8.K15(SDOA_FROM_ADC<7>)
ADC_SDOB<0>: R21_6.1(A<0>) U1_6.D6(SDOB) U8.K2(SDOB_FROM_ADC<0>)
ADC_SDOB<1>: R21_9.1(A<0>) U1_9.D6(SDOB) U8.P1(SDOB_FROM_ADC<1>)
ADC_SDOB<2>: R21_8.1(A<0>) U1_8.D6(SDOB) U8.T4(SDOB_FROM_ADC<2>)
ADC_SDOB<3>: R21_7.1(A<0>) U1_7.D6(SDOB) U8.R7(SDOB_FROM_ADC<3>)
ADC_SDOB<4>: R21_1.1(A<0>) U1_1.D6(SDOB) U8.R10(SDOB_FROM_ADC<4>)
ADC_SDOB<5>: R21_4.1(A<0>) U1_4.D6(SDOB) U8.T16(SDOB_FROM_ADC<5>)
ADC_SDOB<6>: R21_3.1(A<0>) U1_3.D6(SDOB) U8.M16(SDOB_FROM_ADC<6>)
ADC_SDOB<7>: R21_2.1(A<0>) U1_2.D6(SDOB) U8.J15(SDOB_FROM_ADC<7>)
AIN+<1>_1: C5_1.2(B<0>) R3_1.2(B<0>) U1_1.B2(AIN1+)
AIN+<1>_2: C5_2.2(B<0>) R3_2.2(B<0>) U1_2.B2(AIN1+)
AIN+<1>_3: C5_3.2(B<0>) R3_3.2(B<0>) U1_3.B2(AIN1+)
AIN+<1>_4: C5_4.2(B<0>) R3_4.2(B<0>) U1_4.B2(AIN1+)
AIN+<1>_6: C5_6.2(B<0>) R3_6.2(B<0>) U1_6.B2(AIN1+)
AIN+<1>_7: C5_7.2(B<0>) R3_7.2(B<0>) U1_7.B2(AIN1+)
AIN+<1>_8: C5_8.2(B<0>) R3_8.2(B<0>) U1_8.B2(AIN1+)
AIN+<1>_9: C5_9.2(B<0>) R3_9.2(B<0>) U1_9.B2(AIN1+)
AIN+<2>_1: C19_1.2(B<0>) R11_1.2(B<0>) U1_1.C2(AIN2+)
AIN+<2>_2: C19_2.2(B<0>) R11_2.2(B<0>) U1_2.C2(AIN2+)
AIN+<2>_3: C19_3.2(B<0>) R11_3.2(B<0>) U1_3.C2(AIN2+)
AIN+<2>_4: C19_4.2(B<0>) R11_4.2(B<0>) U1_4.C2(AIN2+)
AIN+<2>_6: C19_6.2(B<0>) R11_6.2(B<0>) U1_6.C2(AIN2+)
AIN+<2>_7: C19_7.2(B<0>) R11_7.2(B<0>) U1_7.C2(AIN2+)
AIN+<2>_8: C19_8.2(B<0>) R11_8.2(B<0>) U1_8.C2(AIN2+)
AIN+<2>_9: C19_9.2(B<0>) R11_9.2(B<0>) U1_9.C2(AIN2+)
AIN+<3>_1: C18_1.2(B<0>) R10_1.2(B<0>) U1_1.E2(AIN3+)
AIN+<3>_2: C18_2.2(B<0>) R10_2.2(B<0>) U1_2.E2(AIN3+)
AIN+<3>_3: C18_3.2(B<0>) R10_3.2(B<0>) U1_3.E2(AIN3+)
AIN+<3>_4: C18_4.2(B<0>) R10_4.2(B<0>) U1_4.E2(AIN3+)
AIN+<3>_6: C18_6.2(B<0>) R10_6.2(B<0>) U1_6.E2(AIN3+)
AIN+<3>_7: C18_7.2(B<0>) R10_7.2(B<0>) U1_7.E2(AIN3+)
AIN+<3>_8: C18_8.2(B<0>) R10_8.2(B<0>) U1_8.E2(AIN3+)
AIN+<3>_9: C18_9.2(B<0>) R10_9.2(B<0>) U1_9.E2(AIN3+)
AIN+<4>_1: C17_1.2(B<0>) R9_1.2(B<0>) U1_1.G2(AIN4+)
AIN+<4>_2: C17_2.2(B<0>) R9_2.2(B<0>) U1_2.G2(AIN4+)
AIN+<4>_3: C17_3.2(B<0>) R9_3.2(B<0>) U1_3.G2(AIN4+)
AIN+<4>_4: C17_4.2(B<0>) R9_4.2(B<0>) U1_4.G2(AIN4+)
AIN+<4>_6: C17_6.2(B<0>) R9_6.2(B<0>) U1_6.G2(AIN4+)
AIN+<4>_7: C17_7.2(B<0>) R9_7.2(B<0>) U1_7.G2(AIN4+)
AIN+<4>_8: C17_8.2(B<0>) R9_8.2(B<0>) U1_8.G2(AIN4+)
AIN+<4>_9: C17_9.2(B<0>) R9_9.2(B<0>) U1_9.G2(AIN4+)
AIN+<5>_1: C16_1.2(B<0>) R8_1.2(B<0>) U1_1.H1(AIN5+)
AIN+<5>_2: C16_2.2(B<0>) R8_2.2(B<0>) U1_2.H1(AIN5+)
AIN+<5>_3: C16_3.2(B<0>) R8_3.2(B<0>) U1_3.H1(AIN5+)
AIN+<5>_4: C16_4.2(B<0>) R8_4.2(B<0>) U1_4.H1(AIN5+)
AIN+<5>_6: C16_6.2(B<0>) R8_6.2(B<0>) U1_6.H1(AIN5+)
AIN+<5>_7: C16_7.2(B<0>) R8_7.2(B<0>) U1_7.H1(AIN5+)
AIN+<5>_8: C16_8.2(B<0>) R8_8.2(B<0>) U1_8.H1(AIN5+)
AIN+<5>_9: C16_9.2(B<0>) R8_9.2(B<0>) U1_9.H1(AIN5+)
AIN+<6>_1: C15_1.2(B<0>) R7_1.2(B<0>) U1_1.K1(AIN6+)
AIN+<6>_2: C15_2.2(B<0>) R7_2.2(B<0>) U1_2.K1(AIN6+)
AIN+<6>_3: C15_3.2(B<0>) R7_3.2(B<0>) U1_3.K1(AIN6+)
AIN+<6>_4: C15_4.2(B<0>) R7_4.2(B<0>) U1_4.K1(AIN6+)
AIN+<6>_6: C15_6.2(B<0>) R7_6.2(B<0>) U1_6.K1(AIN6+)
AIN+<6>_7: C15_7.2(B<0>) R7_7.2(B<0>) U1_7.K1(AIN6+)
AIN+<6>_8: C15_8.2(B<0>) R7_8.2(B<0>) U1_8.K1(AIN6+)
AIN+<6>_9: C15_9.2(B<0>) R7_9.2(B<0>) U1_9.K1(AIN6+)
AIN+<7>_1: C14_1.2(B<0>) R6_1.2(B<0>) U1_1.M1(AIN7+)
AIN+<7>_2: C14_2.2(B<0>) R6_2.2(B<0>) U1_2.M1(AIN7+)
AIN+<7>_3: C14_3.2(B<0>) R6_3.2(B<0>) U1_3.M1(AIN7+)
AIN+<7>_4: C14_4.2(B<0>) R6_4.2(B<0>) U1_4.M1(AIN7+)
AIN+<7>_6: C14_6.2(B<0>) R6_6.2(B<0>) U1_6.M1(AIN7+)
AIN+<7>_7: C14_7.2(B<0>) R6_7.2(B<0>) U1_7.M1(AIN7+)
AIN+<7>_8: C14_8.2(B<0>) R6_8.2(B<0>) U1_8.M1(AIN7+)
AIN+<7>_9: C14_9.2(B<0>) R6_9.2(B<0>) U1_9.M1(AIN7+)
AIN+<8>_1: C13_1.2(B<0>) R5_1.2(B<0>) U1_1.N1(AIN8+)
AIN+<8>_2: C13_2.2(B<0>) R5_2.2(B<0>) U1_2.N1(AIN8+)
AIN+<8>_3: C13_3.2(B<0>) R5_3.2(B<0>) U1_3.N1(AIN8+)
AIN+<8>_4: C13_4.2(B<0>) R5_4.2(B<0>) U1_4.N1(AIN8+)
AIN+<8>_6: C13_6.2(B<0>) R5_6.2(B<0>) U1_6.N1(AIN8+)
AIN+<8>_7: C13_7.2(B<0>) R5_7.2(B<0>) U1_7.N1(AIN8+)
